# Altium PCB MZCAT_commutation_board.PcbDoc
Units mm, origin at the board's own origin, x right, y up, seen from the top; angles counter-clockwise.
Board outline 48.15 x 58.3 mm, 2 copper layers (Top Layer, Bottom Layer), stack 1.036 mm thick; 9 components, 16 nets, 58 pads, 75 vias.
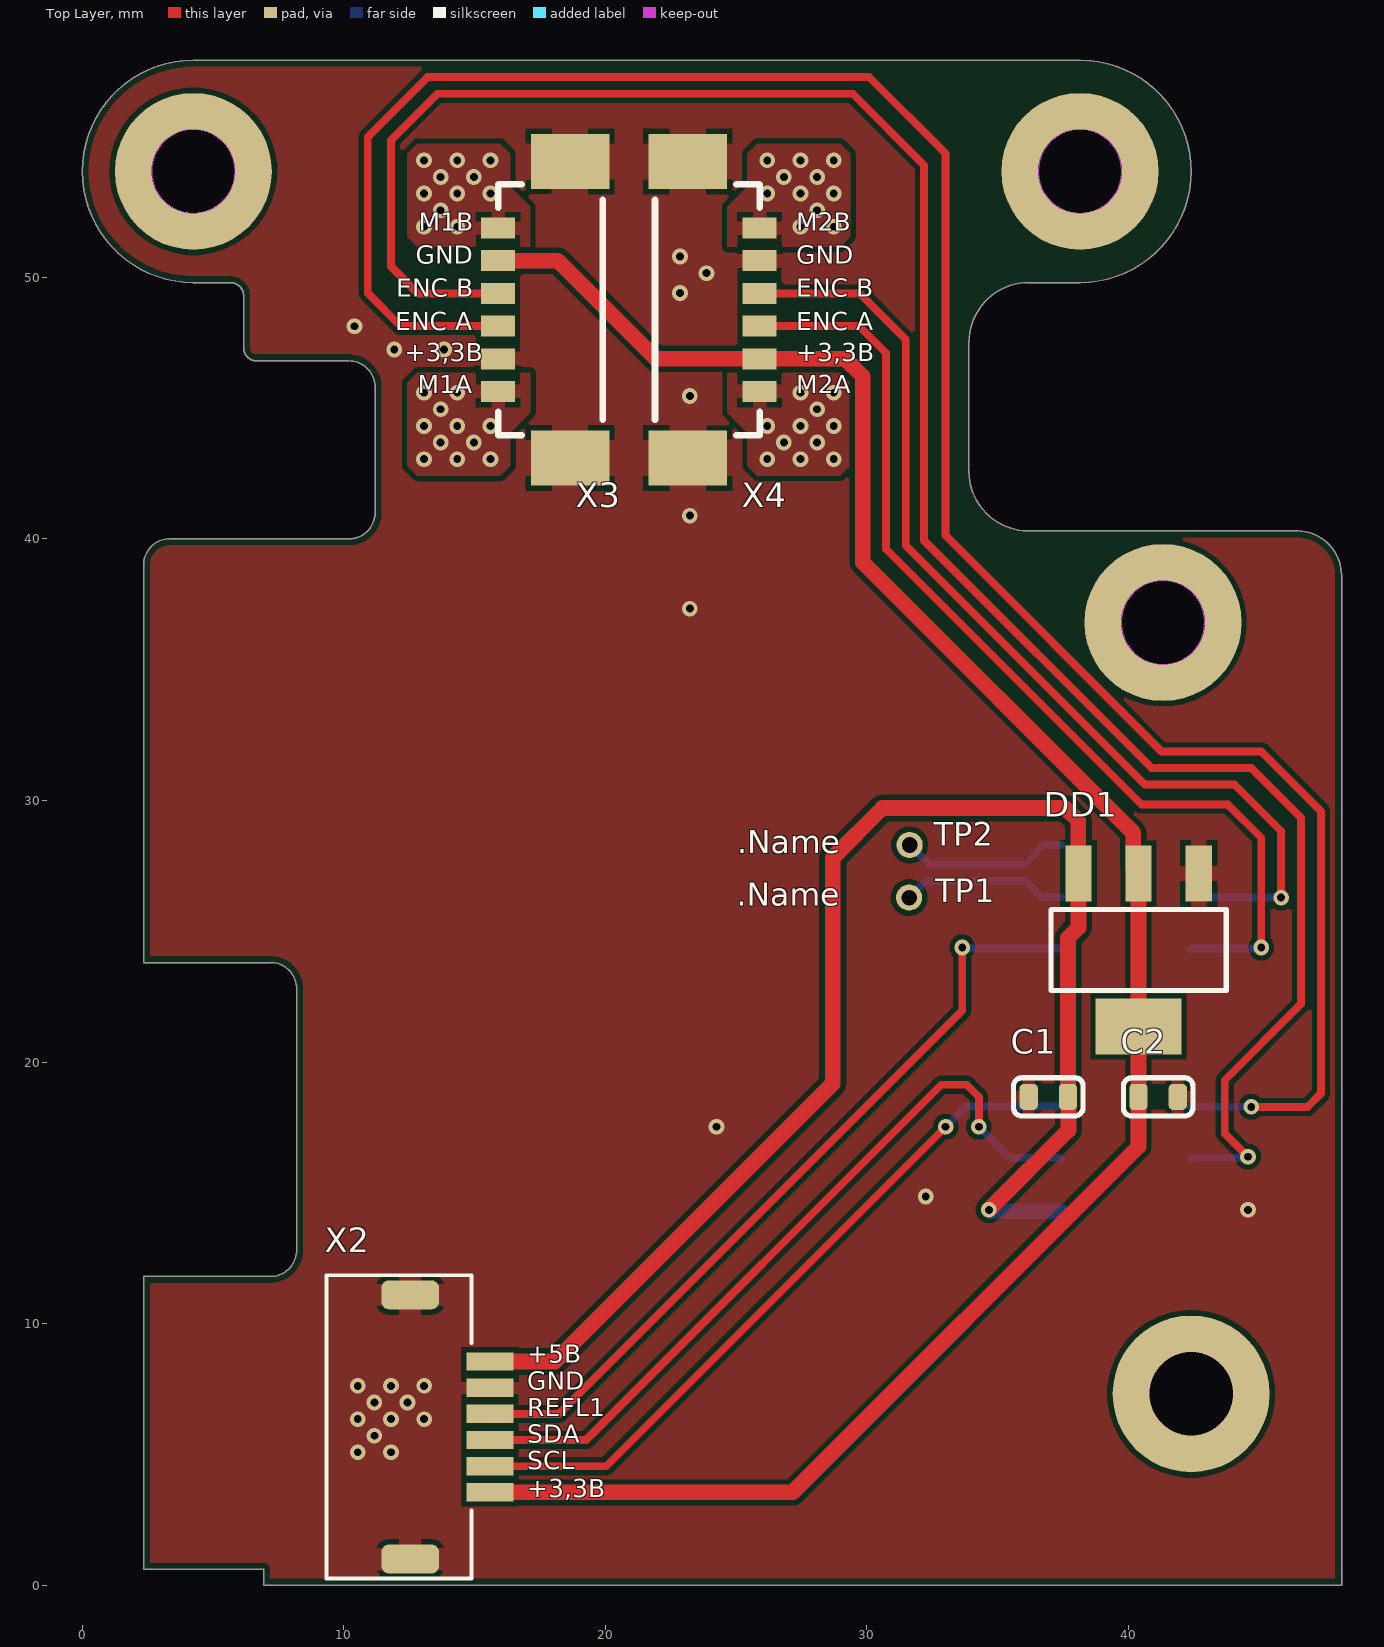
[diagram p0: Top Layer view]
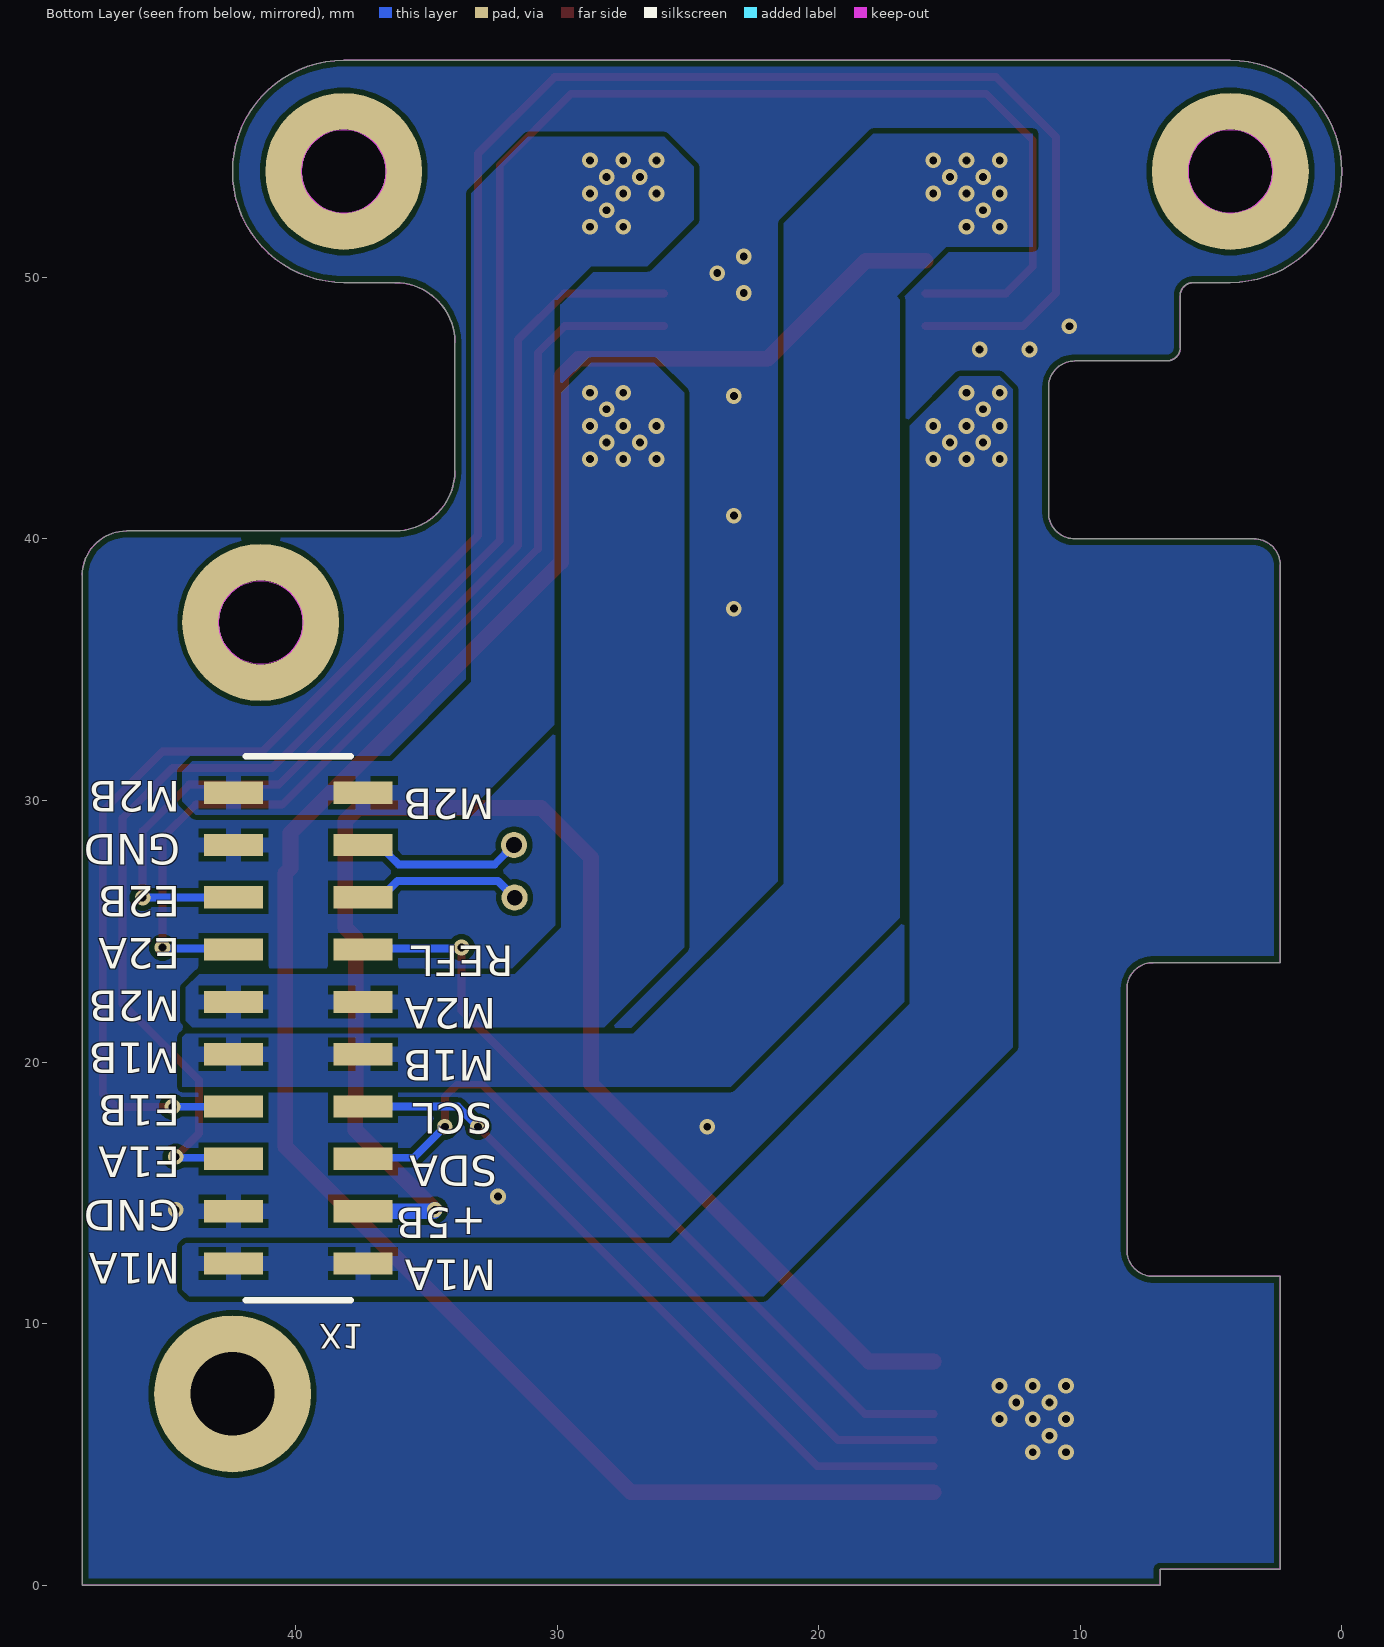
[diagram p1: Bottom Layer view, seen from below]
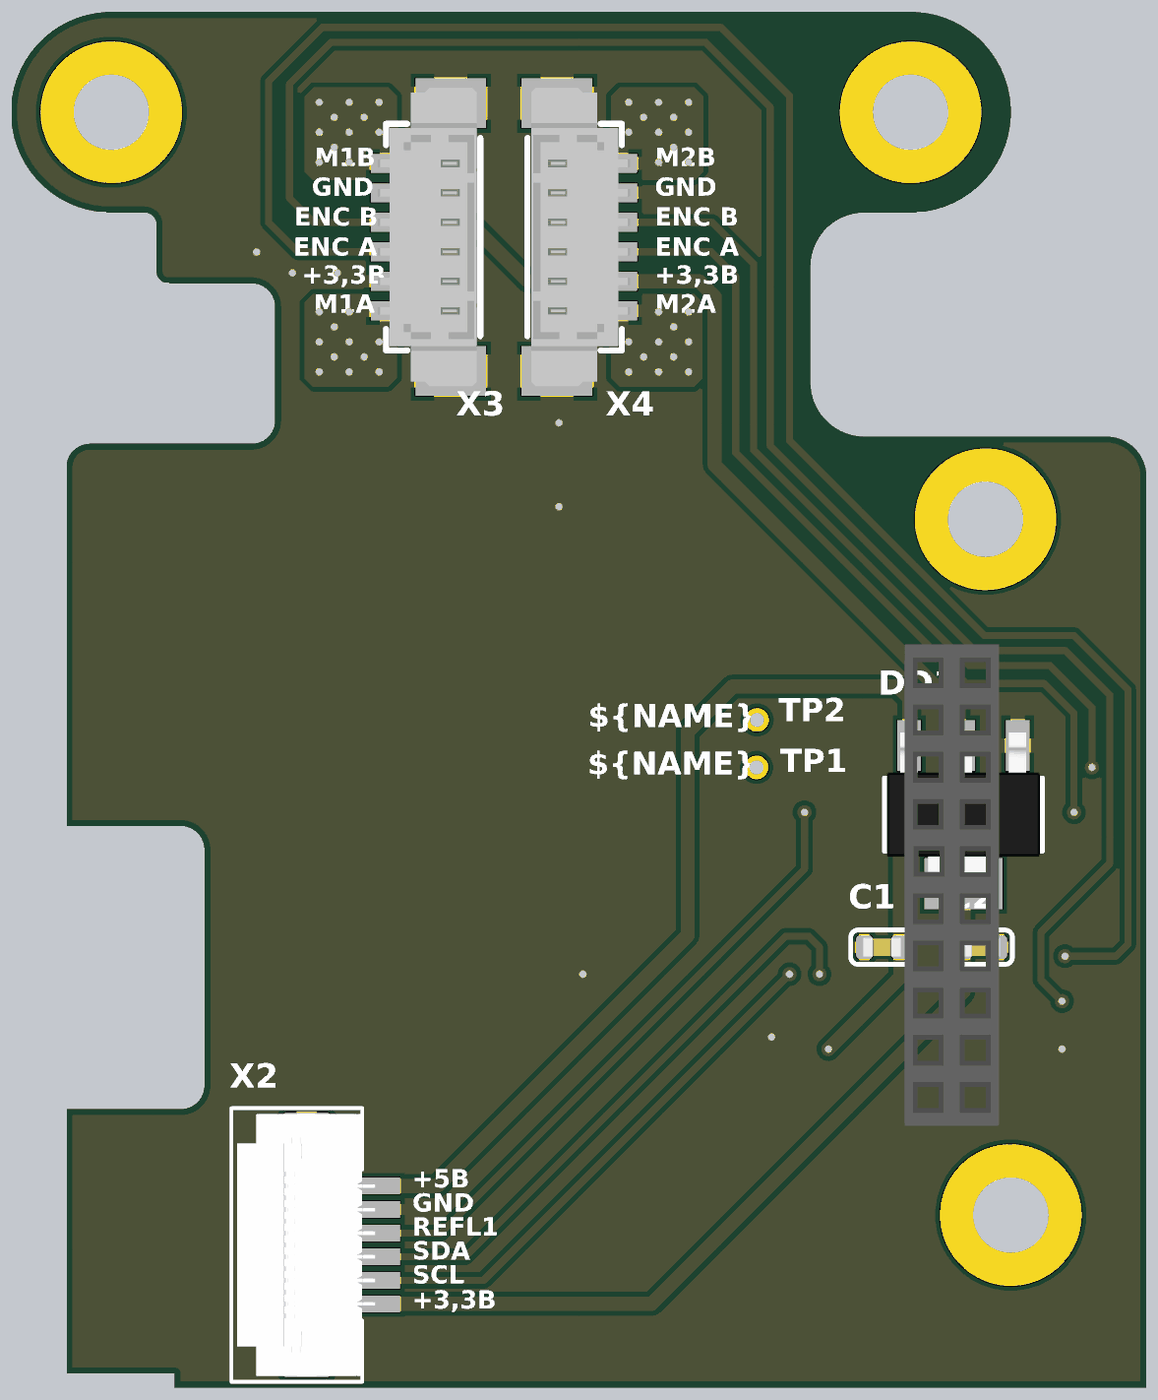
[diagram p2: 3D render of the assembled board from above, using the file's embedded part models]

## Layer stack, top to bottom
Top Solder: solder mask 0.0254, SM-001, Dk 4
Top Layer: signal copper 0.018
Core: core 1, FR4 Tg135, Dk 4.5
Bottom Layer: signal copper 0.018
Board Layer Stack Bottom Solder: solder mask 0.0254, SM-001, Dk 4

## Board outline
504 vertices, not listed, extent 0.006,0.006 48.156,58.306

## Design rules (kind name [scope] priority, off if disabled: settings)
AcuteAngle min_acute_angle [OnCopper] p1: minimum=3.50000000000000E+0001 checktracksonly=FALSE // Минимальный угол между примитивами топологии
BoardOutlineClearance board_outline_clearance_std [NOT (OnLayer('Bottom Overlay') OR OnLayer('Top Overlay'))] p1: gap=0.25 ignorepadtopadclearanceinfootprint=FALSE except(0: Arc-SplitContinuation Track-SplitContinuation SMDPad-SplitContinuation THPad-SplitContinuation Via-SplitContinuation Fill-SplitContinuation Poly-SplitContinuation Region-SplitContinuation Text-SplitContinuation) // Отступ элементов топологии от края фрезеруемой печатной платы
Clearance Clearance_keepout [OnTopLayer OR OnBottomLayer vs OnLayer('Keep-Out Layer')] p1: gap=0.125 ignorepadtopadclearanceinfootprint=FALSE except(0.2: Arc-Fill Arc-Poly Track-Fill Track-Poly SMDPad-SMDPad SMDPad-Fill SMDPad-Poly THPad-Fill THPad-Poly Via-Fill Via-Poly Fill-Fill Fill-Poly Poly-Poly Poly-Region Poly-Text; 0.25: Arc-Hole Track-Hole SMDPad-Hole THPad-Hole Via-Hole Fill-Hole Poly-Hole Region-Hole Text-Hole; 0.4: Arc-Track Track-Track)
Clearance TOP_BOT_GND [InPolygonClass('TOP_BOT')] p2: gap=0.5 ignorepadtopadclearanceinfootprint=FALSE
Clearance REF_GND [InPolygonClass('REF_GND')] p3: gap=0.5 ignorepadtopadclearanceinfootprint=FALSE
Clearance clearance_outer_18um_std [OnTopLayer OR OnBottomLayer] p4: gap=0.125 ignorepadtopadclearanceinfootprint=FALSE except(0.2: Arc-Fill Arc-Poly Track-Fill Track-Poly SMDPad-Fill SMDPad-Poly THPad-Fill THPad-Poly Via-Fill Via-Poly Fill-Fill Fill-Poly Poly-Poly Poly-Region Poly-Text; 0.25: Arc-Hole Track-Hole THPad-Hole Via-Hole Fill-Hole Poly-Hole Region-Hole Text-Hole) // Зазоры на внешних слоях
Clearance clearance_inner_18um_std [NOT (OnTopLayer Or OnBottomLayer)] p5: gap=0.125 ignorepadtopadclearanceinfootprint=FALSE except(0.2: Arc-Fill Arc-Poly Track-Fill Track-Poly SMDPad-SMDPad SMDPad-Fill SMDPad-Poly THPad-Fill THPad-Poly Via-Fill Via-Poly Fill-Fill Fill-Poly Poly-Poly Poly-Region Poly-Text; 0.25: Arc-Hole Track-Hole SMDPad-Hole THPad-Hole Via-Hole Fill-Hole Poly-Hole Region-Hole Text-Hole) // Зазоры на внутренних слоях
ComponentClearance [All] p1: gap=0 collisioncheckmode=3 verticalgap=0 showdistances=FALSE
DiffPairsRouting diff_pairs_routing [All] p1: maxlimit=0.127 minlimit=0.127 mostfreqgap=0.127 toplayer_minwidth=0.143 toplayer_maxwidth=0.143 toplayer_prefwidth=0.143 bottomlayer_minwidth=0.143 bottomlayer_maxwidth=0.143 bottomlayer_prefwidth=0.143 impedanceprofiledriven=TRUE maxuncoupledlength=12.7 // Правила трассировки дифференциальных пар
HoleSize min_hole_size_std [IsPad] p1: absolutevalues=TRUE maxlimit=5.9 minlimit=0.5 maxpercent=80.000 minpercent=20.000 // Диаметр межслойного переходного отверстия
HoleSize min_hole_size_via_std [IsVia] p2: absolutevalues=TRUE maxlimit=5.9 minlimit=0.3 maxpercent=80.000 minpercent=20.000 // Минимальный диаметр монтажного отверстия
HoleToHoleClearance hole_to_hole_clearance_std [All] p1: gap=0.2 allowstackedmicrovias=FALSE // Минимальное расстояние между краями двух отверстий
MinimumAnnularRing min_via_ar_std [All] p1: minimumring=0.15 // Поясок площадки переходного отверстия (Annular ring VIA)
MinimumAnnularRing min_pad_ar_std [All] p2: minimumring=0.2 // Поясок монтажной контактной площадки (Annular ring PAD)
MinimumSolderMaskSliver min_solder_mask_bridge_std [All] p1: minsoldermaskwidth=0 // Мнимальная ширина масочного мостика
PlaneClearance plane_clearance_18um_std [All] p1: clearance=0.2 // Отступ полигона (для слоя plane) от элементов топологии
PlaneConnect [All] p1: planeconnectstyle=Relief reliefexpansion=0.5 reliefentries=4 reliefconductorwidth=0.2 reliefairgap=0.2
PolygonConnect poly_connect_to_pad<=0.3 [(AsMM(PadXSize_AllLayers)<=0.301) or (AsMM(PadYSize_AllLayers)<=0.301)] p1: thpad.connectstyle=Relief thpad.reliefconductorwidth=0.2 thpad.reliefentries=4 thpad.polygonreliefangle="90 Angle" thpad.airgapwidth=0.2 smdpad.connectstyle=Relief smdpad.reliefconductorwidth=0.2 smdpad.reliefentries=4 smdpad.polygonreliefangle="90 Angle" smdpad.airgapwidth=0.2 via.connectstyle=Direct via.reliefconductorwidth=0.254 via.reliefentries=4 via.polygonreliefangle="90 Angle" via.airgapwidth=0.254 // Правила подключения полигонов для падов от 0,3мм и меньше
PolygonConnect poly_connect_to_pad<=0.4 [(AsMM(PadXSize_AllLayers)<=0.401) or (AsMM(PadYSize_AllLayers)<=0.401)] p2: thpad.connectstyle=Relief thpad.reliefconductorwidth=0.26 thpad.reliefentries=4 thpad.polygonreliefangle="90 Angle" thpad.airgapwidth=0.2 smdpad.connectstyle=Relief smdpad.reliefconductorwidth=0.26 smdpad.reliefentries=4 smdpad.polygonreliefangle="90 Angle" smdpad.airgapwidth=0.2 via.connectstyle=Direct via.reliefconductorwidth=0.254 via.reliefentries=4 via.polygonreliefangle="90 Angle" via.airgapwidth=0.254 // Правила подключения полигонов для падов от 0,4 и меньше
PolygonConnect poly_connect_to_pad<=0.6 [(AsMM(PadXSize_AllLayers)<=0.601) or (AsMM(PadYSize_AllLayers)<=0.601)] p3: thpad.connectstyle=Relief thpad.reliefconductorwidth=0.33 thpad.reliefentries=4 thpad.polygonreliefangle="90 Angle" thpad.airgapwidth=0.2 smdpad.connectstyle=Relief smdpad.reliefconductorwidth=0.33 smdpad.reliefentries=4 smdpad.polygonreliefangle="90 Angle" smdpad.airgapwidth=0.2 via.connectstyle=Direct via.reliefconductorwidth=0.254 via.reliefentries=4 via.polygonreliefangle="90 Angle" via.airgapwidth=0.254 // Правила подключения полигонов для падов от 0,6мм и меньше
PolygonConnect poly_connect_to_pad<=0.7 [(AsMM(PadXSize_AllLayers)<=0.701) or (AsMM(PadYSize_AllLayers)<=0.701)] p4: thpad.connectstyle=Relief thpad.reliefconductorwidth=0.46 thpad.reliefentries=4 thpad.polygonreliefangle="90 Angle" thpad.airgapwidth=0.2 smdpad.connectstyle=Relief smdpad.reliefconductorwidth=0.46 smdpad.reliefentries=4 smdpad.polygonreliefangle="90 Angle" smdpad.airgapwidth=0.2 via.connectstyle=Direct via.reliefconductorwidth=0.254 via.reliefentries=4 via.polygonreliefangle="90 Angle" via.airgapwidth=0.254 // Правила подключения полигонов для падов от 0,7мм и меньше
PolygonConnect poly_connect_to_pad<=0.8 [(AsMM(PadXSize_AllLayers)<=0.8)or(AsMM(PadYSize_AllLayers)<=0.8)] p5: thpad.connectstyle=Relief thpad.reliefconductorwidth=0.53 thpad.reliefentries=4 thpad.polygonreliefangle="90 Angle" thpad.airgapwidth=0.3 smdpad.connectstyle=Relief smdpad.reliefconductorwidth=0.53 smdpad.reliefentries=4 smdpad.polygonreliefangle="90 Angle" smdpad.airgapwidth=0.2 via.connectstyle=Direct via.reliefconductorwidth=0.254 via.reliefentries=4 via.polygonreliefangle="90 Angle" via.airgapwidth=0.254 // Правила подключения полигонов для падов от 0,8мм и меньше
PolygonConnect poly_connect_to_pad<=1 [(AsMM(PadXSize_AllLayers)<=1.01)or(AsMM(PadYSize_AllLayers)<=1.01)] p6: thpad.connectstyle=Relief thpad.reliefconductorwidth=0.6 thpad.reliefentries=4 thpad.polygonreliefangle="90 Angle" thpad.airgapwidth=0.3 smdpad.connectstyle=Relief smdpad.reliefconductorwidth=0.6 smdpad.reliefentries=4 smdpad.polygonreliefangle="90 Angle" smdpad.airgapwidth=0.2 via.connectstyle=Direct via.reliefconductorwidth=0.254 via.reliefentries=4 via.polygonreliefangle="90 Angle" via.airgapwidth=0.254 // Правила подключения полигонов для падов от 1мм и меньше
PolygonConnect poly_connect_to_pad<=1.3 [(AsMM(PadXSize_AllLayers)<=1.31)or(AsMM(PadYSize_AllLayers)<=1.31)] p7: thpad.connectstyle=Relief thpad.reliefconductorwidth=0.66 thpad.reliefentries=4 thpad.polygonreliefangle="90 Angle" thpad.airgapwidth=0.3 smdpad.connectstyle=Relief smdpad.reliefconductorwidth=0.86 smdpad.reliefentries=4 smdpad.polygonreliefangle="90 Angle" smdpad.airgapwidth=0.2 via.connectstyle=Direct via.reliefconductorwidth=0.254 via.reliefentries=4 via.polygonreliefangle="90 Angle" via.airgapwidth=0.254 // Правила подключения полигонов для падов от 1,3мм и меньше
PolygonConnect poly_connect_to_pad<=1.6 [(AsMM(PadXSize_AllLayers)<=1.61)or(AsMM(PadYSize_AllLayers)<=1.61)] p8: thpad.connectstyle=Relief thpad.reliefconductorwidth=0.8 thpad.reliefentries=4 thpad.polygonreliefangle="90 Angle" thpad.airgapwidth=0.3 smdpad.connectstyle=Relief smdpad.reliefconductorwidth=1 smdpad.reliefentries=4 smdpad.polygonreliefangle="90 Angle" smdpad.airgapwidth=0.2 via.connectstyle=Direct via.reliefconductorwidth=0.254 via.reliefentries=4 via.polygonreliefangle="90 Angle" via.airgapwidth=0.254 // Правила подключения полигонов для падов от 1,6мм и меньше
PolygonConnect poly_connect_to_pad<=1.8 [(AsMM(PadXSize_AllLayers)<=1.8)or(AsMM(PadYSize_AllLayers)<=1.8)] p9: thpad.connectstyle=Relief thpad.reliefconductorwidth=1 thpad.reliefentries=4 thpad.polygonreliefangle="90 Angle" thpad.airgapwidth=0.3 smdpad.connectstyle=Relief smdpad.reliefconductorwidth=1.2 smdpad.reliefentries=4 smdpad.polygonreliefangle="90 Angle" smdpad.airgapwidth=0.2 via.connectstyle=Direct via.reliefconductorwidth=0.254 via.reliefentries=4 via.polygonreliefangle="90 Angle" via.airgapwidth=0.254 // Правила подключения полигонов для падов от 1,8мм и меньше
PolygonConnect poly_connect_to_pad<=2 [(AsMM(PadXSize_AllLayers)<=2.01)or(AsMM(PadYSize_AllLayers)<=2.01)] p10: thpad.connectstyle=Relief thpad.reliefconductorwidth=1.1 thpad.reliefentries=4 thpad.polygonreliefangle="90 Angle" thpad.airgapwidth=0.3 smdpad.connectstyle=Relief smdpad.reliefconductorwidth=1.4 smdpad.reliefentries=4 smdpad.polygonreliefangle="90 Angle" smdpad.airgapwidth=0.2 via.connectstyle=Direct via.reliefconductorwidth=0.254 via.reliefentries=4 via.polygonreliefangle="90 Angle" via.airgapwidth=0.254 // Правила подключения полигонов для падов от 2мм и меньше
PolygonConnect poly_connect_to_pad<=2.3 [(AsMM(PadXSize_AllLayers)<=2.31)or(AsMM(PadYSize_AllLayers)<=2.31)] p11: thpad.connectstyle=Relief thpad.reliefconductorwidth=1.2 thpad.reliefentries=4 thpad.polygonreliefangle="90 Angle" thpad.airgapwidth=0.3 smdpad.connectstyle=Relief smdpad.reliefconductorwidth=1.4 smdpad.reliefentries=4 smdpad.polygonreliefangle="90 Angle" smdpad.airgapwidth=0.2 via.connectstyle=Direct via.reliefconductorwidth=0.254 via.reliefentries=4 via.polygonreliefangle="90 Angle" via.airgapwidth=0.254 // Правила подключения полигонов для падов от 2,3мм и меньше
PolygonConnect poly_connect_to_pad<=2.5 [(AsMM(PadXSize_AllLayers)<=2.51)or(AsMM(PadYSize_AllLayers)<=2.51)] p12: thpad.connectstyle=Relief thpad.reliefconductorwidth=1.2 thpad.reliefentries=4 thpad.polygonreliefangle="90 Angle" thpad.airgapwidth=0.3 smdpad.connectstyle=Relief smdpad.reliefconductorwidth=1.4 smdpad.reliefentries=4 smdpad.polygonreliefangle="90 Angle" smdpad.airgapwidth=0.2 via.connectstyle=Direct via.reliefconductorwidth=0.254 via.reliefentries=4 via.polygonreliefangle="90 Angle" via.airgapwidth=0.254 // Правила подключения полигонов для падов от 2,5мм и меньше
PolygonConnect poly_connect_to_pad<=2.7 [(AsMM(PadXSize_AllLayers)<=2.71)or(AsMM(PadYSize_AllLayers)<=2.71)] p13: thpad.connectstyle=Relief thpad.reliefconductorwidth=1.4 thpad.reliefentries=4 thpad.polygonreliefangle="90 Angle" thpad.airgapwidth=0.3 smdpad.connectstyle=Relief smdpad.reliefconductorwidth=1.6 smdpad.reliefentries=4 smdpad.polygonreliefangle="90 Angle" smdpad.airgapwidth=0.2 via.connectstyle=Direct via.reliefconductorwidth=0.254 via.reliefentries=4 via.polygonreliefangle="90 Angle" via.airgapwidth=0.254 // Правила подключения полигонов для падов от 2,7мм и меньше
PolygonConnect poly_connect_to_pad<=3 [(AsMM(PadXSize_AllLayers)<=3.01)or(AsMM(PadYSize_AllLayers)<=3.01)] p14: thpad.connectstyle=Relief thpad.reliefconductorwidth=1.6 thpad.reliefentries=4 thpad.polygonreliefangle="90 Angle" thpad.airgapwidth=0.3 smdpad.connectstyle=Relief smdpad.reliefconductorwidth=1.8 smdpad.reliefentries=4 smdpad.polygonreliefangle="90 Angle" smdpad.airgapwidth=0.2 via.connectstyle=Direct via.reliefconductorwidth=0.254 via.reliefentries=4 via.polygonreliefangle="90 Angle" via.airgapwidth=0.254 // Правила подключения полигонов для падов от 3мм и меньше
PolygonConnect poly_connect_to_pad<=7 [(AsMM(PadXSize_AllLayers)<7.01)or(AsMM(PadYSize_AllLayers)<=7.01)] p15: thpad.connectstyle=Relief thpad.reliefconductorwidth=2 thpad.reliefentries=4 thpad.polygonreliefangle="90 Angle" thpad.airgapwidth=0.4 smdpad.connectstyle=Relief smdpad.reliefconductorwidth=2 smdpad.reliefentries=4 smdpad.polygonreliefangle="90 Angle" smdpad.airgapwidth=0.3 via.connectstyle=Direct via.reliefconductorwidth=0.254 via.reliefentries=4 via.polygonreliefangle="90 Angle" via.airgapwidth=0.254 // Правила подключения полигонов для падов от 7мм и меньше
PolygonConnect poly_connect_to_pad [All] p16: thpad.connectstyle=Relief thpad.reliefconductorwidth=0.25 thpad.reliefentries=4 thpad.polygonreliefangle="90 Angle" thpad.airgapwidth=0.2 smdpad.connectstyle=Relief smdpad.reliefconductorwidth=0.25 smdpad.reliefentries=4 smdpad.polygonreliefangle="90 Angle" smdpad.airgapwidth=0.2 via.connectstyle=Direct via.reliefconductorwidth=0.25 via.reliefentries=4 via.polygonreliefangle="90 Angle" via.airgapwidth=0.2 // Правила подключения полигонов общие
RoutingCorners [All] p1 off: cornerstyle=45-Degree minsetback=2.5 maxsetback=2.5
RoutingVias [All] p1: holewidth=0.3 width=0.6 viastyle="Through Hole" minholewidth=0.3 minwidth=0.6 maxholewidth=5.9 maxwidth=6.4
SilkToSilkClearance silk_to_silk_clearance_std [All] p1 off: silktosilkclearance=0.15 // Отступ текста шелкографии от других примитивов шелкографии
SilkToSolderMaskClearance silk_to_solder_mask_clearance_std [IsPad] p1 off: minsilkscreentomaskgap=0.15 clearancetoexposedcopper=FALSE // Минимальное расстояние между элементами шелкографии и вскрытой медью
SolderMaskExpansion solder_mask_expansion_std [All] p1: expansion=0.05 istentingtop=FALSE // Припуск паяльной масски
UnRoutedNet [All] p1: checkbadconnections=TRUE
Width width_18um_std [All] p1: maxlimit=10 minlimit=0.125 preferedwidth=0.15 checkconnectedcopper=TRUE // Ширина проводников (общая)
19 further rules are at their usual default settings.

## Components (designator, comment, footprint, x,y, rotation, side; value= is the part's Value field where it differs from the comment)
DD1 "LM1117GS-5.0" SOT-223 40.395,24.289 r270 top
TP1 "CAM_DP" TP_0,6X1 31.623,26.289 r0 top
TP2 "CAM_DN" TP_0,6X1 31.644,28.3 r0 top
X1 "PLD2-2x10" "PLS 2.00 10x2 SMT" 39.9,21.3 r90 bottom
X2 "LCP-6" "LCP 6 pin" 14.198,6.05 r90 top
X3 "PicoBlade-6" "PicoBlade-6 SMD" 15.908,48.765 r90 top
X4 "PicoBlade-6" "PicoBlade-6 SMD" 25.908,48.765 r270 top
С1 "0,1мк" C0603 36.945,18.669 r0 top
С2 "0,1мк" C0603 41.145,18.669 r180 top

## Footprints (in the part's own frame and the unit in brackets; to place one, negate y for a bottom-side part, rotate by r counter-clockwise, add the part's x,y. Pads: shape width x height; smd on the part's side, far side on the other; paste and mask are expansions set on the pad)
C0603 [mm]
  rrect50% 0.7x1 smd: 1(-0.75,0) 2(0.75,0)
  Top Layer pour cut-out: -0.4,0.5 0.4,0.5 0.4,-0.5 -0.4,-0.5
  silkscreen extent -1.33,-0.73 1.33,0.73, body extent -0.8,-0.4 0.8,0.4, height 0.9
"LCP 6 pin" [mm] "FFC мама 6 контактов"
  rrect50% 1.1x2.2 smd: 0(-5.05,1.65) 0(5.05,1.65)
  rect 0.7x1.8 smd: 1(-2.5,-1.4) 2(-1.5,-1.4) 3(-0.5,-1.4) 4(0.5,-1.4) 5(1.5,-1.4) 6(2.5,-1.4)
  silkscreen extent -5.8,-0.7 5.8,4.85, body extent -5.57,-1.25 5.58,4.6, height 1.54
"PicoBlade-6 SMD" [mm]
  rect 2.1x3 smd: 0(-5.675,-2.75) 0(5.675,-2.75)
  rect 0.8x1.3 smd: 1(3.125,0) 2(1.875,0) 3(0.625,0) 4(-0.625,0) 5(-1.875,0) 6(-3.125,0)
  silkscreen extent -4.8,-4 4.8,0, body extent -6.32,-3.85 6.32,0.35, height 4.72
"PLS 2.00 10x2 SMT" [mm] "PLS с шагом 2мм 10x2 SMT монтажа"
  rect 0.85x2.25 smd: 1(-9,-2.475) 2(-9,2.475) 3(-7,-2.475) 4(-7,2.475) 5(-5,-2.475) 6(-5,2.475) 7(-3,-2.475) 8(-3,2.475) 9(-1,-2.475) 10(-1,2.475) 11(1,-2.475) 12(1,2.475) 13(3,-2.475) 14(3,2.475) 15(5,-2.475) 16(5,2.475) 17(7,-2.475) 18(7,2.475) 19(9,-2.475) 20(9,2.475)
  silkscreen extent -10.4,-2 10.4,2, body extent -10.2,-3.25 10.2,3.25, height 0.6
SOT-223 [mm] "MC33269"
  rect 2.15x1 smd: 1(-2.925,2.3) 2(-2.925,0) 3(-2.925,-2.3)
  rect 2.15x3.3 smd: 2(2.925,0)
  silkscreen extent -1.55,-3.35 1.55,3.35, body extent -3.48,-3.25 3.48,3.25, height 1.65
TP_0,6X1 [mm]
  round 1 hole 0.6: 1(0,0)

## Part data
DD1: library part LM1117-3.3, "LM1117GS-3.3", Contact_1=IN+, Contact_2=GND, Contact_3=OUT+, Name=LM1117GS-5.0
TP1 TP2: library part TESTPOINT_HOLE
  TP1: Name=CAM_DP
  TP2: Name=CAM_DN
X1: library part "PLS 10 x 2", Contact_1=M1A, Contact_2=M1A, Contact_3=+5В, Contact_4=GND, Contact_5=SDA, Contact_6=ENC1A, Contact_7=SCL, Contact_8=ENC1B, Contact_9=M1B, Contact_10=M1B, Contact_11=M2A, Contact_12=M2A, Contact_13=REFL, Contact_14=ENC2A, Contact_15=CAM_DP, Contact_16=ENC2B, Contact_17=CAM_DN, Contact_18=GND, Contact_19=M2B, Contact_20=M2B, Name=PLD2-2x10
X2 X3 X4: library part Header_6, "Разъем - 6 конт. мама", Contact_5=GND, Contact_7=TP
  X2: Contact_1=VCC, Contact_2=SCL, Contact_3=SDA, Contact_4=REFL, Contact_6=+5В, Name=LCP-6
  X3 X4: Contact_1=MA, Contact_2=+5В, Contact_3=ENC1, Contact_4=ENC2, Contact_6=MB, Name=PicoBlade-6
С1 С2: library part "Кер. конденсатор"

## Free pads (board coordinates)
  round 6 hole 3.2: 0(4.256,54.056) 0(38.156,54.056) 0(41.331,36.806) 0(42.406,7.316)

## Via types
v1: diameter 0.6, hole 0.3, Top Layer to Bottom Layer, tented both sides, 75 vias

## Nets (pads, with @x,y where several pads share a name; then routed paths per layer and width w, separated by ;. In a path a pad name is that pad's centre, name@x,y a point inside that pad or via, vN(x,y) a via of type N, cw(c..) or ccw(c..) an arc to the next point about the centre after c; other vN are vias at no path point)
+3,3В: DD1.2 X2.1 X3.2 X4.2 С2.2 | length 79.9
  Top Layer w0.6: X2.1 27.172,3.55 40.395,16.773 С2.2 40.395,21.364 40.395,27.214 40.195,27.414 40.195,28.766 29.845,39.116 29.845,46.228 29.183,46.89 X4.2 21.944,46.89 18.194,50.64 X3.2
+5В: DD1.3 X1.3 X2.6 С1.2 | length 55.6
  Top Layer w0.6: X2.6 18.075,8.55 28.702,19.177 28.702,27.813 30.607,29.718 37.592,29.718 38.095,29.215 DD1.3 38.1,27.209 38.1,25.146 37.695,24.741 С1.2 ; v1(34.671,14.351) 37.719,17.399 С1.2@37.719,18.669
  Bottom Layer w0.6: v1(34.671,14.351) 34.722,14.3 X1.3
ENC1A: X1.6 X3.3 | length 81.5
  Top Layer w0.3: X3.3 12.84,49.39 11.811,50.419 11.811,55.245 13.589,57.023 29.464,57.023 32.194,54.292 32.194,39.941 40.894,31.242 44.704,31.242 46.609,29.337 46.609,22.225 43.688,19.304 43.688,17.272 v1(44.577,16.383)
  Bottom Layer w0.3: X1.6 42.416,16.342 44.536,16.342 v1(44.577,16.383)
ENC1B: X1.8 X3.4 | length 85.1
  Top Layer w0.3: X3.4 12.185,48.14 10.922,49.403 10.922,55.372 13.208,57.658 30.099,57.658 33.02,54.737 33.02,40.132 41.275,31.877 45.085,31.877 47.371,29.591 47.371,18.796 46.863,18.288 v1(44.704,18.288)
  Bottom Layer w0.3: X1.8 42.381,18.294 44.698,18.294 v1(44.704,18.288)
ENC2A: X1.14 X4.3 | length 38.6
  Top Layer w0.3: X4.3 29.711,48.14 30.734,47.117 30.734,39.624 40.513,29.845 43.815,29.845 45.085,28.575 v1(45.085,24.384)
  Bottom Layer w0.3: X1.14 42.417,24.342 45.043,24.342 v1(45.085,24.384)
ENC2B: X1.16 X4.4 | length 39.1
  Top Layer w0.3: X4.4 29.731,49.39 31.496,47.625 31.496,39.751 40.64,30.607 44.069,30.607 45.847,28.829 v1(45.847,26.289)
  Bottom Layer w0.3: X1.16 42.381,26.295 45.841,26.295 v1(45.847,26.289)
GND: DD1.1 X1.4 X1.18 X2.0 X2.5 X3.0 X3.5 X4.0 X4.5 С1.1 С2.1
  other v1: 10.541,5.08 11.811,5.08 11.176,5.715 10.541,6.35 11.811,6.35 13.081,6.35 11.176,6.985 12.446,6.985 10.541,7.62 11.811,7.62 13.081,7.62 44.577,14.351 32.258,14.859 24.257,17.526 23.241,37.338 23.241,40.894 23.241,45.466 11.938,47.244 13.843,47.244 10.414,48.133 22.86,49.403 23.876,50.165 22.86,50.8
M1A: X1.1 X1.2 X3.6
  other v1: 13.076,43.053 14.346,43.053 15.616,43.053 13.711,43.688 14.981,43.688 13.076,44.323 14.346,44.323 15.616,44.323 13.711,44.958 13.076,45.593 14.346,45.593
M1B: X1.9 X1.10 X3.1
  other v1: 13.076,51.937 14.346,51.937 13.711,52.572 13.076,53.207 14.346,53.207 15.616,53.207 13.711,53.842 14.981,53.842 13.076,54.477 14.346,54.477 15.616,54.477
M2A: X1.11 X1.12 X4.1
  other v1: 26.2,43.053 27.47,43.053 28.74,43.053 26.835,43.688 28.105,43.688 26.2,44.323 27.47,44.323 28.74,44.323 28.105,44.958 27.47,45.593 28.74,45.593
M2B: X1.19 X1.20 X4.6
  other v1: 27.47,51.937 28.74,51.937 28.105,52.572 26.2,53.207 27.47,53.207 28.74,53.207 26.835,53.842 28.105,53.842 26.2,54.477 27.47,54.477 28.74,54.477
NetTP1_1: TP1.1 X1.15 | length 6.3
  Bottom Layer w0.3: TP1.1 32.258,26.924 36.101,26.924 36.725,26.3 X1.15
NetTP2_1: TP2.1 X1.17 | length 6.4
  Bottom Layer w0.3: TP2.1 32.385,27.559 36.065,27.559 36.45,27.944 36.45,28.025 36.725,28.3 X1.17
REFL: X1.13 X2.4 | length 30.7
  Top Layer w0.3: X2.4 18.234,6.55 33.655,21.971 v1(33.655,24.384)
  Bottom Layer w0.3: v1(33.655,24.384) 33.697,24.342 37.383,24.342 X1.13
SCL: X1.7 X2.2 | length 27.5
  Top Layer w0.3: X2.2 20.044,4.55 v1(33.02,17.526)
  Bottom Layer w0.3: v1(33.02,17.526) 33.794,18.3 X1.7
SDA: X1.5 X2.3 | length 29.3
  Top Layer w0.3: X2.3 19.266,5.55 32.85,19.134 33.825,19.134 34.29,18.669 v1(34.29,17.526)
  Bottom Layer w0.3: v1(34.29,17.526) 35.474,16.342 37.384,16.342 X1.5

## Polygon pours and split planes (outlines as drawn)
GND on Bottom Layer "GND_L02_P051" (solid, remove dead copper, pour order 51): 0,0.006 0,58.42 48.156,58.42 48.156,0.006
M1B on Bottom Layer "M1B_L02_P050" (solid, pour order 50): 27.081,21.082 21.336,26.827 21.336,52.07 17.907,55.499 11.811,55.499 11.811,51.181 15.113,51.181 17.018,49.276 16.891,49.149 16.891,25.527 23.368,19.05 44.323,19.05 44.323,20.955 44.196,21.082
M1A on Bottom Layer "M1A_L02_P049" (solid, pour order 49): 25.654,13.081 16.51,22.225 16.51,44.323 14.605,46.228 13.081,46.228 12.573,45.72 12.573,20.574 22.098,11.049 44.069,11.049 44.323,11.303 44.323,12.954 44.196,13.081
M2A on Bottom Layer "M2A_L02_P048" (solid, pour order 48): 29.845,25.146 29.845,45.593 28.702,46.736 26.289,46.736 25.146,45.593 25.146,24.384 28.194,21.336 43.942,21.336 44.196,21.59 44.196,22.86 43.688,23.368 31.623,23.368
M2B on Bottom Layer "M2B_L02_P047" (solid, pour order 47): 30.099,32.893 30.099,49.149 29.972,49.149 28.702,50.419 26.543,50.419 24.765,52.197 24.765,54.229 25.908,55.372 31.115,55.372 33.274,53.213 33.274,34.544 36.322,31.496 43.942,31.496 44.323,31.115 44.323,29.972 43.815,29.464 33.528,29.464
GND on Top Layer "GND_L01_P052" (solid, remove dead copper, pour order 52): 0,0.006 0,58.42 48.156,58.42 48.156,0.006
M1A on Top Layer "M1A_L01_P039" (solid, pour order 39): 17.14,44.831 17.14,46.355 12.822,46.355 12.441,45.974 12.441,42.799 12.822,42.418 15.997,42.418 16.378,42.799 16.378,44.069
M1B on Top Layer "M1B_L01_P040" (solid, pour order 40): 17.14,52.699 17.14,51.175 12.822,51.175 12.441,51.556 12.441,54.731 12.822,55.112 15.997,55.112 16.378,54.731 16.378,53.461
M2B on Top Layer "M2B_L01_P041" (solid, pour order 41): 24.676,52.699 24.676,51.175 28.994,51.175 29.375,51.556 29.375,54.731 28.994,55.112 25.819,55.112 25.438,54.731 25.438,53.461
M2A on Top Layer "M2A_L01_P043" (solid, pour order 43): 24.676,44.831 24.676,46.355 28.994,46.355 29.375,45.974 29.375,42.799 28.994,42.418 25.819,42.418 25.438,42.799 25.438,44.069

## Keep-outs
Keep-Out Layer:
  circle w0.013: c4.256,54.056 r1.6
  circle w0.013: c41.331,36.806 r1.6
  circle w0.013: c38.156,54.056 r1.6
  lines w0.013: 6.321,46.959 6.322,46.958 6.326,46.955 6.327,46.954 6.328,46.953 6.329,46.952 6.33,46.951 6.331,46.949 6.332,46.948 6.333,46.947 6.335,46.946 6.337,46.944 6.339,46.943 6.34,46.941 6.342,46.94 6.344,46.938 6.346,46.937 6.347,46.935 6.349,46.933 6.351,46.932 6.353,46.93 6.355,46.929 6.357,46.927 6.359,46.925 6.362,46.923 6.364,46.921 6.367,46.919 6.369,46.917 6.372,46.915 6.376,46.912 6.38,46.91 6.384,46.906 6.39,46.902 ccw(c6.725,47.384) 6.413,46.887 ccw(c6.723,47.382) 6.423,46.881 6.429,46.877 6.434,46.874 6.438,46.872 6.442,46.87 6.445,46.868 6.448,46.867 6.451,46.865 6.454,46.864 6.457,46.862 6.46,46.861 6.462,46.86 6.464,46.859 6.466,46.858 6.468,46.857 6.47,46.856 6.472,46.855 6.475,46.854 6.477,46.853 6.479,46.852 6.481,46.851 6.483,46.85 6.485,46.849 6.487,46.848 6.488,46.848 6.489,46.847 6.491,46.847 6.494,46.845 6.496,46.845 6.497,46.844 6.499,46.843 6.5,46.843 6.501,46.842 6.503,46.842 6.505,46.841 6.507,46.84 6.509,46.839 6.512,46.839 6.514,46.838 6.516,46.837 6.518,46.836 6.52,46.836 6.523,46.835 6.525,46.834 6.527,46.833 6.529,46.833 6.532,46.832 6.535,46.831 6.538,46.83 6.541,46.829 6.544,46.828 6.547,46.827 6.551,46.826 6.555,46.825 6.56,46.824 6.565,46.823 6.572,46.821 ccw(c6.707,47.407) 6.605,46.814 6.614,46.813 6.621,46.812 6.627,46.811 6.631,46.81 6.635,46.81 6.639,46.81 6.643,46.809 6.646,46.809 6.649,46.809 6.652,46.808 6.655,46.808 6.658,46.808 6.66,46.808 6.663,46.807 6.665,46.807 6.667,46.807 6.67,46.807 6.672,46.807 6.674,46.807 6.677,46.807 6.679,46.807 6.681,46.807 6.684,46.806 6.686,46.806 6.687,46.806 6.689,46.806 6.69,46.806 6.692,46.806 6.694,46.806 10.206,46.806 cw(c10.206,45.806) 11.206,45.806 11.206,41.006 cw(c10.206,41.006) 10.206,40.006 3.353,40.006 ccw(c3.353,39.006) 2.353,39.006 2.353,23.806 7.206,23.806 cw(c7.206,22.806) 8.206,22.806 8.206,12.806 cw(c7.206,12.806) 7.206,11.806 2.353,11.806 2.353,0.606 6.942,0.606 6.942,0.006 48.156,0.006 48.156,38.606 ccw(c46.456,38.606) 46.456,40.306 36.206,40.306 cw(c36.206,42.606) 33.906,42.606 33.906,47.506 cw(c36.206,47.506) 36.206,49.806 38.156,49.806 ccw(c38.156,54.056) 38.156,58.306 4.256,58.306 ccw(c4.256,54.056) 4.256,49.806 5.654,49.806 5.656,49.806 5.657,49.806 5.659,49.806 5.66,49.806 5.662,49.806 5.663,49.806 5.666,49.806 5.668,49.806 5.67,49.806 5.673,49.806 5.675,49.806 5.677,49.806 5.68,49.806 5.682,49.806 5.684,49.805 5.687,49.805 5.689,49.805 5.691,49.805 5.695,49.805 5.698,49.804 5.701,49.804 5.704,49.804 5.707,49.803 5.712,49.803 5.716,49.802 5.72,49.802 5.725,49.801 5.731,49.8 cw(c5.642,49.198) 5.772,49.793 5.78,49.791 5.786,49.79 5.791,49.788 5.795,49.787 5.799,49.786 5.803,49.785 5.806,49.784 5.81,49.783 5.813,49.782 5.816,49.782 5.819,49.781 5.821,49.78 5.823,49.779 5.826,49.778 5.828,49.778 5.83,49.777 5.832,49.776 5.835,49.775 5.837,49.775 5.839,49.774 5.841,49.773 5.843,49.772 5.846,49.772 5.848,49.771 5.849,49.77 5.851,49.77 5.852,49.769 5.853,49.768 5.855,49.768 5.858,49.767 5.86,49.766 5.861,49.765 5.863,49.765 5.864,49.764 5.865,49.764 5.868,49.763 5.87,49.762 5.872,49.761 5.874,49.76 5.876,49.759 5.878,49.758 5.88,49.757 5.882,49.756 5.885,49.755 5.887,49.754 5.889,49.753 5.891,49.752 5.894,49.75 5.897,49.749 5.9,49.747 5.902,49.746 5.906,49.744 5.91,49.742 5.913,49.74 5.917,49.738 5.922,49.735 5.929,49.731 cw(c5.626,49.227) 5.946,49.72 cw(c5.627,49.228) 5.959,49.712 5.965,49.708 5.969,49.704 5.973,49.701 5.977,49.699 5.98,49.696 5.983,49.694 5.986,49.692 5.988,49.69 5.991,49.688 5.993,49.686 5.995,49.685 5.997,49.683 5.999,49.681 6.001,49.68 6.003,49.678 6.004,49.677 6.006,49.675 6.008,49.674 6.01,49.672 6.011,49.671 6.013,49.669 6.015,49.668 6.017,49.666 6.018,49.665 6.019,49.664 6.02,49.663 6.021,49.662 6.022,49.661 6.023,49.66 6.024,49.659 6.027,49.656 6.028,49.655 6.029,49.654 6.03,49.653 6.031,49.652 6.033,49.651 6.034,49.649 6.035,49.648 6.037,49.646 6.038,49.644 6.04,49.643 6.042,49.641 6.043,49.639 6.045,49.638 6.046,49.636 6.048,49.634 6.05,49.632 6.051,49.63 6.053,49.629 6.055,49.626 6.057,49.624 6.059,49.621 6.061,49.619 6.064,49.616 6.066,49.612 6.069,49.609 6.073,49.604 6.077,49.598 cw(c5.627,49.264) 6.09,49.581 cw(c5.627,49.264) 6.097,49.569 6.101,49.563 6.104,49.558 6.107,49.554 6.109,49.55 6.111,49.547 6.113,49.544 6.114,49.541 6.116,49.538 6.117,49.535 6.119,49.533 6.12,49.53 6.121,49.528 6.122,49.526 6.123,49.524 6.124,49.522 6.126,49.52 6.127,49.518 6.128,49.516 6.129,49.514 6.13,49.511 6.131,49.509 6.132,49.507 6.132,49.506 6.133,49.504 6.134,49.503 6.134,49.502 6.135,49.5 6.135,49.499 6.136,49.497 6.137,49.496 6.137,49.495 6.138,49.493 6.138,49.492 6.139,49.49 6.14,49.489 6.14,49.488 6.141,49.486 6.141,49.485 6.142,49.483 6.143,49.481 6.143,49.479 6.144,49.477 6.145,49.474 6.146,49.472 6.147,49.47 6.147,49.468 6.148,49.466 6.149,49.463 6.15,49.461 6.151,49.459 6.151,49.456 6.152,49.453 6.153,49.449 6.154,49.446 6.155,49.443 6.156,49.439 6.157,49.435 6.159,49.431 6.16,49.425 cw(c5.632,49.294) 6.168,49.39 6.169,49.382 6.17,49.376 6.171,49.371 6.171,49.367 6.172,49.363 6.172,49.36 6.173,49.357 6.173,49.353 6.173,49.35 6.174,49.347 6.174,49.345 6.174,49.342 6.174,49.34 6.174,49.337 6.174,49.335 6.175,49.333 6.175,49.33 6.175,49.328 6.175,49.326 6.175,49.323 6.175,49.321 6.175,49.319 6.175,49.318 6.175,49.316 6.175,49.315 6.175,49.313 6.175,49.312 6.175,49.31 6.175,49.309 6.175,49.306 6.175,47.306 6.175,47.305 6.176,47.303 6.176,47.302 6.176,47.3 6.176,47.299 6.176,47.297 6.176,47.296 6.176,47.294 6.176,47.293 6.176,47.291 6.176,47.289 6.176,47.286 6.176,47.284 6.176,47.282 6.176,47.279 6.177,47.277 6.177,47.275 6.177,47.272 6.177,47.27 6.177,47.268 6.178,47.265 6.178,47.262 6.178,47.259 6.179,47.256 6.179,47.252 6.179,47.249 6.18,47.245 6.18,47.241 6.181,47.236 6.182,47.231 ccw(c6.719,47.319) 6.189,47.195 6.191,47.187 6.192,47.182 6.194,47.177 6.195,47.173 6.196,47.169 6.197,47.166 6.198,47.163 6.199,47.16 6.2,47.157 6.201,47.154 6.201,47.151 6.202,47.149 6.203,47.147 6.204,47.145 6.204,47.142 6.205,47.14 6.206,47.138 6.207,47.136 6.208,47.134 6.208,47.131 6.209,47.129 6.21,47.128 6.21,47.126 6.211,47.125 6.212,47.124 6.212,47.122 6.213,47.121 6.213,47.119 6.214,47.118 6.214,47.117 6.215,47.115 6.216,47.114 6.216,47.112 6.217,47.111 6.217,47.11 6.218,47.108 6.219,47.107 6.219,47.105 6.22,47.104 6.221,47.102 6.222,47.1 6.223,47.098 6.224,47.096 6.225,47.093 6.226,47.091 6.227,47.089 6.228,47.087 6.229,47.085 6.231,47.083 6.232,47.081 6.233,47.079 6.234,47.076 6.236,47.073 6.238,47.07 6.239,47.067 6.241,47.064 6.243,47.06 6.246,47.056 6.249,47.051 6.252,47.046 ccw(c6.726,47.349) 6.27,47.02 ccw(c6.723,47.347) 6.276,47.012 6.28,47.007 6.283,47.003 6.286,46.999 6.288,46.996 6.291,46.993 6.293,46.99 6.295,46.988 6.297,46.985 6.299,46.983 6.301,46.981 6.302,46.979 6.304,46.978 6.305,46.976 6.307,46.974 6.309,46.972 6.31,46.971 6.312,46.969 6.313,46.967 6.315,46.966 6.317,46.964 6.318,46.962 6.319,46.961 6.32,46.96 ; 6.32,46.96 6.321,46.959

## Silkscreen, mask and mechanical layers (free items; w line width, h text height)
Top Overlay:
  text "M1B" at 12.867,51.56 h1.2
  text "M2B" at 27.305,51.56 h1.2
  text "GND" at 12.755,50.298 h1.2
  text "GND" at 27.305,50.298 h1.2
  text "ENC B" at 12.01,49.027 h1.2
  text "ENC B" at 27.305,49.027 h1.2
  text "ENC A" at 11.971,47.757 h1.2
  text "ENC A" at 27.305,47.757 h1.2
  text "+3,3В" at 12.338,46.57 h1.2
  text "+3,3В" at 27.305,46.57 h1.2
  text "M1A" at 12.828,45.343 h1.2
  text "M2A" at 27.305,45.343 h1.2
  text "+5В" at 17.018,8.267 h1.2
  text "GND" at 17.018,7.245 h1.2
  text "REFL1" at 17.018,6.228 h1.2
  text "SDA" at 17.018,5.213 h1.2
  text "SCL" at 17.018,4.197 h1.2
  text "+3,3В" at 17.018,3.136 h1.2
Board Layer Stack Bottom Overlay:
  text "M2B" at 44.4,31.113 h2 r180
  text "M2B" at 32.39,30.827 h2 r180
  text "GND" at 44.4,29.092 h2 r180
  text "E2B" at 44.4,27.113 h2 r180
  text "E2A" at 44.4,25.113 h2 r180
  text "REFL" at 31.655,24.827 h2 r180
  text "M2B" at 44.4,23.113 h2 r180
  text "M2A" at 32.325,22.827 h2 r180
  text "M1B" at 44.4,21.113 h2 r180
  text "M1B" at 32.39,20.827 h2 r180
  text "E1B" at 44.4,19.107 h2 r180
  text "SCL" at 32.478,18.806 h2 r180
  text "E1A" at 44.4,17.154 h2 r180
  text "SDA" at 32.278,16.806 h2 r180
  text "GND" at 44.4,15.092 h2 r180
  text "+5В" at 32.704,14.806 h2 r180
  text "M1A" at 44.4,13.081 h2 r180
  text "M1A" at 32.325,12.827 h2 r180
Mechanical 1:
  drawing of 506 lines, arcs and shapes, not listed